# Allegro board SDHCalFEB.brd (continued)
## Routing (per net, layer and track width the routed paths; a pad name or vN(x,y) marks a point on that pad's centre or on a via; arc(x,y) is an arc through that point) (continued)
; U752.2 v2(92.5,137.97) ; 51.32,331.34 v2(51.93,331.34) ; U423.2 v2(98.88,214.92) ; R2319.1 v2(44.48,41.68) ; U662.1 v2(124.35,170.43) ; U53.2 v2(284.61,267.15) ; C164.2 v2(236.16,284.81) ; U387.2 v2(240.02,194.03) ; U478.2 v2(85.54,235.03) ; U769.1 v2(35.51,104.39) ; R1996.1 v2(282.71,155.97) ; U21.2 v2(264.14,308.1) ; U285.2 v2(267,225.67) ; R1625.1 v2(204.49,259.71) ; U901.1 v1(216.31,20.68) ; U911.2 v2(168.54,82.4) ; C1410.2 v1(355.03,203.71) ; U305.2 v2(273.59,196.65) ; U361.1 v2(185.62,209.92) ; R1784.1 v1(32.79,190.26) ; R1685.1 v2(335.96,233.19) ; R2028.1 v2(273.27,139.02) ; U704.2 v2(115.49,103.09) ; U22.2 v2(319.42,317.17) ; U142.1 v2(122.85,330.61) ; U159.2 v2(165.02,304.84) ; U590.2 v2(235.53,167.45) ; R2328.1 v2(111.68,49.91) ; R1614.1 v2(161.74,259.93) ; U301.1 v2(255.4,205.89) ; U348.2 v2(245.58,235.03) ; U197.2 v2(84.94,333.97) ; C592.1 v2(142.35,237.05) ; U36.2 v2(266.7,288.06) ; R1743.1 v2(98.89,233.68) ; U951.2 v2(97.94,45.51) ; R2307.1 v1(54.03,17.02) ; C431.2 v2(302.98,198.46) ; U707.2 v2(137.4,97.94) ; R1434.1 v2(143,333.71) ; U237.1 v1(25.32,278.05) ; U250.2 v2(48.83,257.94) ; R1940.1 v2(310.74,168.43) ; U282.1 v2(322.47,237.08) ; U418.2 v2(162.65,228.9) ; R2042.1 v2(175.96,130.68) ; U44.2 v2(270.16,278.1) ; R2200.1 v2(134.48,82.7) ; U621.1 v2(185.7,129.84) ; U532.2 v2(281.57,170.46) ; U46.2 v2(275.24,268.07) ; U596.1 v2(204.36,178.92) ; U793.1 v2(270.36,91.31) ; R1355.1 v1(194.5,343.48) ; R1714.1 v2(53.71,243.48) ; U288.1 v2(328.27,220.76) ; U803.2 v2(325.54,74.96) ; U453.1 v2(149.83,194.08) ; U268.2 v2(304.04,251.34) ; U965.1 v1(124.94,20.36) ; U859.1 v2(185.85,94.03) ; U649.2 v2(227.48,112.86) ; R904.1 v2(167.34,119.1) ; R2237.1 v2(182.71,84.5) ; C246.1 v2(149.9,278.63) ; U123.2 v2(227.36,257.86) ; R1512.1 v2(93.74,281.94) ; U529.1 v2(291.36,170.48) ; U497.1 v1(26.97,194.79) ; U63.1 v2(311.33,274.02) ; U708.2 v2(147.38,97.94) ; U10.2 v2(290.01,339.12) ; U342.1 v2(186.86,246.53) ; U479.2 v2(94.74,232.07) ; U129.1 v2(227.61,271.55) ; U666.2 v2(116.8,156.41) ; U670.1 v2(106.85,157.94) ; U600.1 v2(200.32,156.46) ; U464.1 v2(51.35,250.47) ; R1991.1 v2(79.92,139.78) ; R1818.1 v2(238.99,198.4) ; R1701.1 v2(240.67,243.49) ; R2346.1 v1(274.04,22.23) ; R1963.1 v2(139.91,162.72) ; 184.36,269.62 v2(184.97,269.62) ; U67.1 v2(244.93,335.28) ; U647.2 v2(240.02,114.02) ; R1477.1 v2(328.45,303.71) ; R2135.1 v2(331.69,99.91) ; R2231.1 v2(78.95,70.72) ; U677.2 v2(170.84,152.47) ; C679.1 v2(62.34,237.07) ; U847.1 v2(244.91,95.29) ; R2215.1 v2(134.48,92.71) ; R1539.1 v2(112.49,294.97) ; U139.1 v2(132.86,330.53) ; R2121.1 v2(130.73,108.44) ; U691.1 v2(97.97,126.79) ; R2048.1 v2(332.88,128.6) ; R1939.1 v2(78.44,173.71) ; U930.2 v2(104.03,77.9) ; U811.2 v2(257.2,64.23) ; U74.2 v2(211.55,330.58) ; U779.2 v2(67.46,112.84) ; R2228.1 v2(199.91,92.71) ; U831.2 v2(277.86,37.11) ; U377.2 v2(192.9,178.84) ; U820.2 v2(273.79,51.8) ; R2342.1 v1(294.18,17.25) ; U554.1 v2(257.96,129.94) ; U206.2 v2(43.07,337.03) ; R1736.1 v1(24.16,243.83) ; U533.1 v2(270.36,171.32) ; R1928.1 v2(190.42,162.2) ; C1412.2 v1(355.13,194.97) ; R2087.1 v2(81.68,99.91) ; U80.2 v2(199,316.57) ; U62.2 v2(318.74,273.26) ; U737.2 v2(81.17,157.02) ; R1690.1 v2(319.26,234.51) ; U452.1 v2(161.33,194.06) ; U138.2 v2(144.07,331.33) ; U136.1 v2(156.11,330.03) ; U416.1 v2(116.97,219.79) ; U614.2 v2(250.34,143.07) ; U1046.3 v1(215.65,354.88) ; R2523.1 v1(380.85,97.15) ; U157.1 v2(175.39,304.9) ; U185.2 v2(123.9,261.56) ; U862.1 v2(186.81,86.46) ; R2230.1 v2(89.77,74.49) ; U426.2 v2(105.69,208.73) ; C1024.1 v2(59.73,118.61) ; R1984.1 v2(317.08,151.41) ; R2089.1 v2(177.3,115.35) ; C1464.2 v1(368.85,104.72) ; U74.1 v2(212.85,330.58) ; R1560.1 v2(94.05,262.2) ; R2243.1 v1(23.63,72.17) ; U382.2 v2(218.88,177.9) ; R2007.1 v1(21.14,161.76) ; U399.2 v2(130.06,250.47) ; U240.2 v2(36.78,279.16) ; R2060.1 v2(273.47,129.34) ; U285.1 v2(267,226.97) ; U613.2 v2(243.37,149.2) ; U749.1 v1(26.12,131.9) ; C1440.2 v1(129.74,342.15) ; U638.1 v2(203.05,105.51) ; U349.1 v2(254.81,230.79) ; R2348.1 v1(113.33,20.98) ; U322.2 v2(317.12,190.39) ; R2531.1 v1(387.83,283.9) ; R2317.1 v1(193.57,28.22) ; U565.2 v2(269.45,116.16) ; R1705.1 v2(220.73,255.97) ; U60.2 v2(328.86,257.88) ; R2046.1 v2(161.18,129.9) ; U253.1 v2(67.57,257.89) ; R1592.1 v2(281.45,267.73) ; C1287.1 v2(146.09,38.62) ; R1962.1 v2(219.92,162.72) ; R1969.1 v2(204.49,162.71) ; U791.2 v2(283.07,98.91) ; U400.1 v2(131.31,258.98) ; R2088.1 v2(257.24,116.36) ; U559.2 v2(325.9,133.43) ; U938.2 v2(168.17,63.64) ; U778.2 v2(69.15,113.06) ; U698.1 v2(168.88,124.57) ; U84.1 v2(191.82,316.47) ; C76.2 v2(317.28,284.81) ; U113.1 v2(246.94,284.67) ; U979.1 v2(84,90.02) ; U145.1 v2(120.21,316.53) ; U568.2 v2(328.93,124.37) ; U813.1 v2(259.41,56.86) ; R1461.1 v2(257.43,317.93) ; U976.1 v2(89.83,82.37) ; R2049.1 v2(246.75,129.33) ; R1751.1 v2(162.94,217.69) ; 317.75,75.84 v2(319.14,74.46) ; 317.75,75.84 v2(319.01,75.84) ; U83.1 v2(181.1,315.68) ; U575.2 v2(288.89,97.92) ; C1206.2 v2(221.35,77.05) ; U737.1 v2(83.69,157.02) ; U679.2 v2(169.62,142.33) ; R2001.1 v2(193.85,150.68) ; U141.1 v2(124.38,339.04) ; U555.1 v2(264.87,132.25) ; U631.1 v2(193.3,107.19) ; C328.1 v2(59.74,278.6) ; C68.1 v2(300.75,278.63) ; TP123.1 v2(40.46,159.34) ; TP123.1 v2(42.24,159.34) ; TP123.1 v2(41.35,158.45) ; TP123.1 v2(41.35,160.23) ; R2283.1 v1(47.09,17.02) ; C593.1 v2(151.81,198.59) ; U95.1 v2(184.58,304.14) ; U460.1 v2(75.54,244.94) ; U771.2 v2(48.88,107.95) ; U787.2 v2(305.49,87.41) ; C74.1 v2(310.66,278.63) ; U92.2 v2(256.85,304.88) ; R2079.1 v2(38.41,110.72) ; U202.1 v2(62.83,330.58) ; R2260.1 v2(282.73,75.97) ; U986.2 v2(43.07,98.91) ; R1475.1 v2(113.84,310.67) ; U10.1 v2(291.31,339.12) ; U525.1 v2(315.52,164.9) ; U651.1 v2(169.84,162.36) ; R405.1 v2(327.85,198.73) ; U436.2 v2(114.01,188.14) ; U463.1 v2(64.03,249.99) ; U914.2 v2(164.03,91.32) ; R1584.1 v2(304.01,273.68) ; U216.2 v1(27.03,321.96) ; U967.1 v1(141.26,14.3) ; U168.1 v2(167.23,294.8) ; R2187.1 v2(193.68,95.98) ; U190.1 v2(166.96,258.83) ; U1027.2 v1(37.4,26.7) ; U553.1 v2(257.94,136.82) ; U804.1 v2(334.77,69.3) ; U832.2 v1(281.44,26.95) ; C856.1 v2(225.16,118.61) ; U29.2 v2(334.04,301.33) ; R653.2 v2(91.46,249.53) ; R2261.1 v2(203.48,75.13) ; U698.2 v2(168.88,125.87) ; v1(243.33,344) R1348.1 v1(242.52,343.24) ; R1776.1 v2(86.93,200.71) ; U235.1 v1(27.79,279.76) ; U516.1 v2(86.39,190.42) ; U292.2 v2(255.42,220.05) ; R1649.1 v2(319.93,249.18) ; U784.1 v2(324.03,90.02) ; U119.2 v2(197.89,264.08) ; R1826.1 v2(177.93,195.33) ; R1533.1 v2(272.73,294.6) ; U54.1 v2(273.86,262.86) ; U765.1 v2(36.42,120.39) ; U207.2 v2(43.07,327.08) ; R2181.1 v2(310.72,95.98) ; U73.2 v2(223.98,331.32) ; C1123.2 v2(298.48,75.83) ; U382.1 v2(217.58,177.9) ; U213.2 v2(37.13,321.52) ; R1926.1 v2(284.48,162.71) ; U222.2 v2(98.02,313.02) ; U999.2 v2(95.96,71.33) ; U372.2 v2(247.62,203.9) ; U609.2 v2(249.9,144.93) ; U835.2 v1(285.19,20.05) ; U537.2 v2(265.52,166.47) ; U701.1 v2(104.39,110.39) ; R1617.1 v2(219.68,258.43) ; U543.1 v2(326.84,155.02) ; U542.1 v2(323.28,157.02) ; R1674.1 v2(149.92,242.68) ; R1986.1 v2(157.18,151.41) ; U724.2 v2(51.55,170.41) ; U561.1 v2(257.94,126.82) ; U294.1 v2(255.14,211.6) ; R1408.1 v2(182.22,334.04) ; U591.2 v2(222.48,173.06) ; R2320.1 v1(272.8,32.84) ; R1626.1 v2(130.91,260.66) ; R1927.1 v2(270.43,162.2) ; U643.2 v2(227.37,97.94) ; U429.2 v2(169.3,205.16) ; 324.65,147.96 v2(324.65,148.92) ; U149.1 v2(111.78,316.51) ; C1298.2 v2(138.74,38.6) ; R1585.1 v2(218.43,274.51) ; C1032.2 v2(61.33,157.06) ; R2223.1 v2(294.48,82.72) ; U824.1 v2(265.51,44.37) ; U926.2 v2(116.77,76.4) ; U359.2 v2(177.88,210.33) ; C1435.2 v1(92.53,350.74) ; R2362.1 v2(259.92,42.72) ; U618.1 v2(177.93,136.8) ; R1825.1 v2(283.74,200.96) ; U93.2 v2(247.42,306.15) ; R1676.1 v2(219.92,242.7) ; U625.1 v2(194.26,131.92) ; U794.2 v2(262.47,93.07) ; R2078.1 v2(165.95,120.7) ; U437.1 v2(170.31,205.99) ; C424.2 v2(313.85,200.67) ; U864.1 v2(191.84,76.43) ; U582.2 v2(320.03,114.02) ; U284.2 v2(338,230.34) ; U648.2 v2(230.01,114.02) ; U61.2 v2(326.33,269.08) ; U163.2 v2(97.89,295.82) ; U793.2 v2(270.36,90.01) ; R1717.1 v2(168.94,233.63) ; C854.1 v2(231.82,118.5) ; U611.1 v2(196.78,139.73) ; R2165.1 v2(99.93,102.7) ; R2204.1 v2(179.92,91.7) ; R1719.1 v2(158.94,230.74) ; U404.2 v2(104,253.09) ; U815.1 v2(265.51,54.37) ; U396.2 v2(154.05,251.32) ; U321.1 v2(326.34,190.37) ; U781.2 v2(328.54,82.37) ; U234.1 v2(88.84,298.12) ; U389.2 v2(227.53,192.85) ; U392.1 v2(165.86,254.81) ; C683.1 v2(70.88,198.62) ; U451.1 v2(166.4,190.42) ; R2212.1 v2(204.49,82.7) ; U255.1 v2(83.9,262.86) ; C83.2 v2(304.06,278.62) ; U856.1 v2(204.36,98.91) ; U240.1 v2(36.78,277.86) ; U343.1 v2(182,235.33) ; R2109.1 v2(163.71,113.02) ; v2(303.99,331.31) U8.2 v2(303.03,331.92) ; 158.27,235.86 v2(159.24,235.86) ; 158.27,235.86 v2(159.35,236.94) ; C336.2 v2(73.53,280.63) ; R1861.1 v2(200.71,187.45) ; R2564.2 v1(341.84,334.98) ; U860.1 v2(200.35,76.45) ; R1728.1 v2(81.96,219.19) ; U681.1 v2(96.9,145.56) ; U171.1 v2(98.93,286.43) ; 237.72,314.76 v2(238.61,313.87) ; R1621.1 v2(211.68,259.9) ; R1935.1 v2(94.49,172.69) ; U926.1 v2(115.48,76.4) ; U96.2 v2(177.42,302.97) ; U328.2 v2(246.51,246.85) ; U568.1 v2(328.93,123.07) ; R1769.1 v2(258.43,223.73) ; U50.1 v2(277.36,281) ; U555.2 v2(263.91,131.56) ; 50.02,331.34 v2(49.41,331.34) ; R1478.1 v2(256.69,303.94) ; R1949.1 v2(271.4,173.71) ; R1582.1 v2(234.48,271.7) ; U461.1 v2(74.07,250.02) ; U702.2 v2(105.51,103.09) ; R1320.1 v2(87.69,38.18) ; R2239.1 v1(23.68,69.52) ; R2360.1 v2(111.68,39.9) ; R1994.1 v2(97.34,161.66) ; R2323.1 v2(273.56,49.66) ; U459.2 v2(72.47,253.07) ; U452.2 v2(160.03,194.06) ; C776.2 v2(298.76,118.58) ; R2180.1 v2(80.73,95.98) ; R2347.1 v1(193.32,21.67) ; U14.2 v2(264.56,334.17) ; U368.2 v2(187.5,194.37) ; R1412.1 v2(224.49,322.66) ; U802.2 v2(320.46,77.01) ; U409.1 v2(111.8,236.52) ; U319.1 v2(316.95,178.87) ; U333.1 v2(224.03,250.02) ; R1679.1 v2(213.73,243.48) ; R1456.1 v2(32.89,326.64) ; R1817.1 v2(268.27,197.94) ; U42.2 v2(259.25,280.26) ; C1374.1 v2(66.08,38.57) ; U398.1 v2(144.04,250.02) ; U934.1 v2(175.95,70.03) ; U1010.2 v1(29.83,48.21) ; 141.37,156.34 v2(141.37,157.04) ; U134.1 v2(165.99,330.03) ; R154.2 v2(251.76,329.29) ; R1700.1 v2(314.49,242.67) ; U233.2 v2(86.51,296.84) ; U275.1 v2(280.26,236.5) ; U577.2 v2(297.39,97.92) ; U720.2 v2(75.49,167.42) ; U248.1 v2(43.06,265.4) ; U576.1 v2(287.59,107.9) ; U757.2 v1(25.53,114.62) ; C1285.1 v2(139.72,38.6) ; U1043.1 v1(216.75,344.07) ; U315.1 v2(283.87,182.87) ; U170.1 v2(113.41,292.04) ; R1747.1 v2(174.72,221.46) ; U414.2 v2(174.8,232.07) ; 159.41,315.95 v2(160.12,316.66) ; 159.41,315.95 v2(160.43,315.95) ; U865.1 v2(186.84,77.95) ; U12.1 v2(282.85,330.61) ; U572.1 v2(271.58,98.88) ; U809.1 v2(336.45,57.59) ; U98.1 v2(177.85,296.9) ; U375.1 v2(196.37,200.4) ; R2236.1 v2(261.2,82.99) ; R2191.1 v2(160.74,95.98) ; U282.2 v2(319.95,237.08) ; R2128.1 v2(188.2,111.46) ; U153.1 v2(168.02,310.67) ; U569.2 v2(321.75,117.93) ; R2155.1 v2(283.02,100.73) ; R1589.1 v2(212.19,268.92) ; R1415.1 v2(284.48,322.71) ; R2119.1 v2(290.72,108.42) ; U436.1 v2(113.32,187.17) ; R1964.1 v2(43.73,163.5) ; U861.1 v2(195.49,76.4) ; U367.2 v2(177.39,198.67) ; C1382.2 v2(75.8,44.78) ; U857.2 v2(201.56,90.42) ; U464.2 v2(50.05,250.47) ; U877.2 v2(178.69,58.33) ; R2520.1 v1(376.58,97.15) ; U807.1 v2(328.8,65.46) ; U1025.1 v2(36.4,40.43) ; U1026.1 v2(39.31,36.8) ; U970.2 v2(142.18,33.15) ; R2047.1 v1(32.43,110.65) ; U244.2 v2(80.02,277.88) ; U977.2 v2(85.88,93.38) ; R2195.1 v2(95.44,80.72) ; U623.1 v2(247.01,137.42) ; R571.1 v2(168.33,198.86) ; U210.2 v2(38.57,317.53) ; R821.1 v2(247.53,118.29) ; C1385.2 v2(58.72,38.59) ; C423.2 v2(316.89,232.36) ; U38.1 v2(327.28,294.87) ; U363.1 v2(240.33,214.37) ; U258.2 v2(68.52,273.99) ; R2069.1 v2(178.42,133.66) ; U153.2 v2(168.99,311.36) ; U388.2 v2(228.54,194.06) ; R2071.1 v2(58.42,114.51) ; U1035.2 v1(61.66,33.12) ; U146.1 v2(115.5,316.31) ; U659.1 v2(131.36,170.46) ; R903.2 v2(172.1,169.24) ; U1030.2 v1(45.11,19.8) ; R2202.1 v2(150.7,95.95) ; U497.2 v1(26.01,194.1) ; U916.1 v2(154,90.02) ; R1542.1 v2(255.21,281.99) ; R1943.1 v2(70.74,168.4) ; U385.1 v2(247.58,177.9) ; R1499.1 v2(115.66,304.69) ; U846.2 v2(248.53,82.37) ; U1032.1 v1(62.26,14.35) ; U277.1 v2(266.85,246.53) ; R1948.1 v2(39.93,172.69) ; U689.1 v2(167.68,136.65) ; R1600.1 v2(258.4,273.69) ; U426.1 v2(105.69,210.03) ; R1511.1 v2(97.65,301.45) ; U589.2 v2(244.02,171.33) ; U103.1 v2(243.59,299.82) ; U437.2 v2(170.31,204.69) ; U408.1 v2(102.17,235.33) ; U410.2 v2(105.55,238) ; U182.2 v2(112.89,258.88) ; U665.1 v2(120.34,156.46) ; C857.1 v2(230.83,118.5) ; R1520.1 v2(76.88,278.39) ; R2031.1 v1(23.36,133.92) ; U820.1 v2(273.79,53.1) ; U268.1 v2(304.04,250.04) ; U598.2 v2(190.37,170.04) ; U897.1 v1(196.96,25.86) ; U393.2 v2(166.5,246.82) ; U52.2 v2(272.9,258.85) ; R1890.1 v2(131.72,179.91) ; R2256.1 v2(257.81,81.55) ; U753.2 v2(83.96,139.5) ; U41.1 v2(256.81,286.41) ; R2330.1 v2(259.84,52.2) ; R2287.1 v1(33.53,27.84) ; U744.2 v2(87.93,142.56) ; C692.2 v2(68.89,198.62) ; R1889.1 v2(211.71,179.91) ; U799.1 v2(271.82,76.45) ; U615.1 v2(184.71,144.11) ; U868.2 v2(245.56,74.96) ; R2188.1 v2(175.45,80.72) ; U223.1 v2(82.85,307.62) ; U671.2 v2(104.35,147.12) ; R1713.1 v2(99.91,251.69) ; U522.1 v2(324.89,175.3) ; U89.2 v2(247.9,310.64) ; U62.1 v2(320.04,273.26) ; U327.1 v2(244.86,255.31) ; U158.2 v2(158.12,304.18) ; U467.1 v2(42.87,250.44) ; U570.1 v2(276.43,120.39) ; U684.2 v2(97.94,128.56) ; U880.1 v2(185.52,54.37) ; C75.2 v2(318.18,310.51) ; R2293.1 v2(195.38,59.36) ; U279.2 v2(270.45,236.52) ; U352.2 v2(253.26,234.28) ; U511.2 v2(48.86,187.91) ; R1622.1 v2(141.73,259.93) ; R1655.1 v2(230.74,255.97) ; U1002.2 v2(91.03,67.4) ; R1451.1 v2(110.41,322.2) ; R2044.1 v2(322.7,129.9) ; C1471.2 v1(376.63,293.23) ; U81.1 v2(195.53,316.37) ; R1583.1 v2(164.48,271.67) ; R2030.1 v2(113.31,139.28) ; C1437.2 v1(103.66,352.34) ; R1491.1 v2(176.02,316.56) ; R1735.1 v2(122.69,235.98) ; U17.2 v2(265.58,326.52) ; R1524.1 v1(32.28,272.7) ; U267.2 v2(305.56,247.46) ; R1466.1 v2(202.67,316.03) ; R2521.1 v1(378,97.15) ; U514.1 v2(76.97,178.89) ; U335.1 v2(209.82,258.95) ; C953.2 v2(148.78,118.55) ; U413.1 v2(166.85,235.05) ; C1125.2 v2(303.03,38.6) ; U85.2 v2(185.64,318.05) ; U49.1 v2(321.26,277.87) ; C1114.1 v2(302.37,77.03) ; R2192.1 v2(54.5,92.73) ; R2321.1 v1(192.84,32.77) ; U658.1 v2(144.02,170.03) ; U263.1 v2(326.54,245.55) ; C333.1 v2(69.82,278.52) ; R1597.1 v2(188.15,271.48) ; U108.1 v2(179.37,275.34) ; U812.2 v2(258.7,58.33) ; R1566.1 v2(189.93,279.23) ; R738.1 v2(327.77,118.8) ; R1654.1 v2(303.01,253.69) ; C344.2 v2(68.83,278.54) ; U610.1 v2(188.21,146.12) ; R1696.1 v2(271.41,253.7) ; U288.2 v2(328.27,222.06) ; U72.1 v2(225.58,324.94) ; U336.2 v2(202.45,258.01) ; R1806.1 v2(178.44,213.69) ; R1724.1 v2(89.67,221.44) ; R820.2 v2(251.2,169.21) ; C677.1 v2(60.75,198.62) ; U231.1 v1(16.56,280.94) ; U1027.1 v1(36.71,25.73) ; C329.1 v2(60.73,278.6) ; U665.2 v2(119.04,156.46) ; U479.1 v2(94.74,230.77) ; U346.1 v2(181.46,227.23) ; U763.1 v2(88.93,123.07) ; U53.1 v2(283.31,267.15) ; R1534.1 v2(193.09,294.58) ; U459.1 v2(72.47,254.37) ; R2245.1 v2(238.95,70.72) ; R1336.2 v1(388.06,105.03) ; U231.2 v1(16.56,279.64) ; R2266.1 v2(115.42,70.66) ; U746.1 v1(27.22,143.08) ; C944.1 v2(150.74,118.55) ; U902.2 v1(224.95,14.68) ; U644.1 v2(237.57,97.92) ; R1459.1 v2(157.3,311.4) ; R1567.1 v2(125.95,279.7) ; U626.1 v2(177.93,126.82) ; U467.2 v2(41.57,250.44) ; U482.1 v2(92.23,235.25) ; R2082.1 v2(158.34,118.42) ; U287.2 v2(320.97,230.53) ; U1046.1 v1(213.75,354.88) ; C429.2 v2(298.48,235.9) ; R2016.1 v2(327.99,146.17) ; U830.2 v2(276.4,39.13) ; U601.2 v2(196.78,156.41) ; R1486.1 v2(256.18,317.07) ; U1006.2 v2(28.56,59.33) ; U998.2 v2(85.54,74.96) ; U281.2 v2(262.85,227.1) ; R2300.1 v2(259.16,61.47) ; R2224.1 v2(284.5,82.72) ; C676.1 v2(59.73,198.62) ; U476.2 v1(26.09,239.13) ; U257.2 v2(80.02,274.07) ; R1990.1 v2(98.78,149.11) ; U821.2 v2(257.94,45.51) ; U383.2 v2(228.86,177.9) ; R2226.1 v2(220.73,95.98) ; U562.2 v2(257.18,118.73) ; R1794.1 v2(184.18,210.24) ; R2064.1 v2(273.08,134.53) ; C1417.2 v1(355.33,130.76) ; U654.2 v2(164.06,171.33) ; U397.1 v2(145.54,244.91) ; R1805.1 v2(334.49,202.69) ; C1286.1 v2(140.73,38.6) ; R2318.1 v1(113.51,27.38) ; U384.2 v2(238.87,177.9) ; R1695.1 v2(214.49,252.7) ; U577.1 v2(296.09,97.92) ; R1468.1 v2(85.93,300.74) ; v1(360.86,170.56) C1441.2 v1(361.65,169.74) ; R1446.1 v2(293.7,327) ; C1431.2 v1(354.32,238) ; R2248.1 v2(317.08,71.4) ; R1740.1 v1(20,218.8) ; C1296.2 v2(153.12,40.6) ; U915.2 v2(155.5,87.39) ; U101.1 v2(185.62,288.88) ; U326.2 v2(248.53,242.44) ; R1829.1 v2(268.25,199.92) ; R1981.1 v2(238.95,150.73) ; U813.2 v2(259.41,55.56) ; U869.1 v2(255.96,70.03) ; U969.1 v1(144.02,22.99) ; U308.1 v2(329.01,203.08) ; U672.2 v2(160.87,157.02) ; R2015.1 v2(80.43,132.19) ; R1577.1 v2(324.5,271.73) ; U807.2 v2(328.8,66.76) ; R2265.1 v2(193.85,70.66) ; R1929.1 v2(77.5,151.41) ; U150.2 v2(104.13,318.01) ; R1495.1 v2(97.77,307.65) ; U630.1 v2(189.81,117.04) ; R1731.1 v2(97.84,241.93) ; R1407.1 v2(119.91,332.69) ; U312.1 v2(273.5,188.09) ; C602.2 v2(138.74,198.62) ; C1436.2 v1(92.23,343.5) ; U898.1 v1(201.87,27.74) ; U353.1 v2(246.45,228.47) ; U4.1 v2(324.06,330.02) ; U357.1 v2(178.61,219.6) ; U255.2 v2(83.9,261.56) ; U149.2 v2(110.48,316.51) ; 329.82,141.34 v2(329.82,141.95) ; U136.2 v2(156.11,331.33) ; R1726.1 v2(178.63,229.24) ; U47.2 v2(331.32,280.31) ; R1494.1 v2(196.41,303.55) ; U283.1 v2(329.36,230.08) ; U965.2 v1(124.94,19.06) ; C1373.1 v2(60.7,38.6) ; U784.2 v2(324.03,91.32) ; C79.2 v2(308.71,278.62) ; U216.1 v1(26.06,322.65) ; U939.2 v2(176.68,63.64) ; R1932.1 v2(29.84,163.42) ; R1869.1 v2(177.44,192.2) ; U23.2 v2(329.11,311.36) ; R1564.1 v2(81.76,259.93) ; C779.2 v2(308.95,118.61) ; U901.2 v1(216.31,21.98) ; U905.1 v2(223.79,33.93) ; U982.2 v2(65.48,87.39) ; v1(384.3,293.03) C1474.1 v1(385.51,291.96) ; U662.2 v2(123.05,170.43) ; U331.2 v2(234.06,251.32) ; C770.1 v2(310.94,118.61) ; U548.2 v2(327.96,141.95) ; U84.2 v2(190.52,316.47) ; C862.2 v2(218.47,155.84) ; R1792.1 v2(44.49,201.7) ; R2084.1 v2(269.99,114.33) ; R1998.1 v2(122.69,155.97) ; C342.2 v2(63.91,278.55) ; U63.2 v2(310.03,274.02) ; C1124.2 v2(298.76,38.6) ; U788.2 v2(304.01,91.3) ; R1822.1 v2(190.47,193.75) ; R1828.1 v2(71.7,179.91) ; U612.2 v2(250.49,152.92) ; U273.2 v2(270.38,250.03) ; U131.2 v2(169.1,321.59) ; R1856.1 v2(280.7,187.43) ; C1209.2 v2(233.36,40.6) ; C1438.2 v1(129.64,356.55) ; U937.2 v2(171.5,67.45) ; R2027.1 v1(21.84,111.08) ; U175.2 v2(110.06,274.69) ; U207.1 v2(44.37,327.08) ; R570.2 v2(170.96,249.4) ; C1031.1 v2(70.83,118.58) ; R1390.1 v2(254.48,321.69) ; U619.2 v2(178.05,130.14) ; U695.2 v2(110.01,115.89) ; U755.2 v1(27.79,119.54) ; C338.2 v2(61.32,317.13) ; R1777.1 v2(319.92,212.68) ; U675.1 v2(108.31,146.02) ; R1403.1 v2(233.02,333.71) ; v1(91.97,358.29) C1434.2 v1(92.76,357.47) ; U25.2 v2(268.58,304.9) ; R2062.1 v2(113.04,129.37) ; U55.2 v2(288.88,257.88) ; 180.21,280.6 v2(179.25,280.6) ; U450.1 v2(166.96,178.87) ; R2284.1 v2(257.66,67.36) ; U430.1 v2(114.48,212.41) ; U808.1 v2(328.93,60.05) ; U184.2 v2(119.04,269.52) ; U690.1 v2(114.25,132.23) ; U330.1 v2(235.56,244.94) ; U773.1 v2(67.57,97.94) ; U663.1 v2(110.36,171.34) ; R2112.1 v2(233.71,113.02) ; U923.2 v2(110.39,90.03) ; U709.2 v2(158.89,97.94) ; R403.2 v2(76.97,270.03) ; R2002.1 v2(113.86,150.68) ; R1741.1 v2(329.95,225.21) ; R1985.1 v2(237.17,151.41) ; C1121.2 v2(317.1,44.78) ; C1388.2 v2(68.68,38.56) ; U416.2 v2(118.27,219.79) ; U652.1 v2(164.9,175.3) ; U179.2 v2(162.24,277.9) ; U687.1 v2(170.38,134.36) ; R1737.1 v2(258.91,233.68) ; R2085.1 v2(190.31,113.92) ; U386.1 v2(246.35,190.39) ; U131.1 v2(169.79,322.55) ; U486.2 v1(25.06,223.09) ; U744.1 v2(87.93,143.86) ; U897.2 v1(197.65,26.82) ; C1027.1 v2(62.31,157.06) ; U733.2 v2(36.88,157.21) ; U181.1 v2(104.39,270.42) ; R1521.1 v2(273.8,286.81) ; U261.1 v2(328.48,234.14) ; C502.1 v2(219.77,198.6) ; C1378.1 v2(71.67,38.57) ; U445.1 v2(127.54,177.9) ; U492.1 v2(97.84,215.2) ; U249.2 v2(39.03,268.05) ; C425.2 v2(318.52,203.87) ; U179.1 v2(160.94,277.9) ; v1(363.04,86.46) 364.03,87.45 D7.2 ; U718.1 v2(85.5,166.1) ; U372.1 v2(247.62,205.2) ; 130.05,266.32 v2(130.05,265.35) ; U604.2 v2(190.51,156.46) ; R1548.1 v2(58.44,274.5) ; R2359.1 v2(190.73,38.4) ; U565.1 v2(269.45,117.46) ; C1413.2 v2(355.16,188.85) ; R1771.1 v2(112.52,220.68) ; C1039.2 v2(63.89,118.58) ; U359.1 v2(177.88,211.63) ; R2153.1 v2(131.69,99.91) ; U717.2 v2(84.94,173.98) ; U193.2 v2(148.53,273.99) ; U441.1 v2(104.39,190.5) ; U1031.1 v1(55.98,19.79) ; U125.1 v2(247.55,257.86) ; U636.1 v2(184.37,110.41) ; U935.2 v2(108.28,64.78) ; 145.1,199.26 v2(145.1,198.56) ; U97.1 v2(178.61,299.72) ; U327.2 v2(244.86,254.01) ; U313.1 v2(283.06,185.39) ; U603.2 v2(183.35,155.3) ; U24.1 v2(338.03,309.02) ; U160.2 v2(104.6,302.93) ; U64.1 v2(307.6,271.53) ; U526.2 v2(302.49,173.09) ; C418.1 v2(302.37,236.94) ; U321.2 v2(326.34,189.07) ; U736.2 v1(26.54,157.67) ; U916.2 v2(154,91.32) ; U606.2 v2(183.53,148.11) ; U803.1 v2(326.84,74.96) ; U675.2 v2(108.31,144.72) ; R1807.1 v2(98.4,213.69) ; R1550.1 v2(242.21,277.03) ; R2083.1 v2(91.69,99.91) ; U463.2 v2(64.03,251.29) ; v1(239.12,343.2) R1345.1 v1(238.36,343.99) ; U642.1 v2(216.06,97.94) ; R1664.1 v2(191.37,253.67) ; U529.2 v2(290.06,170.48) ; R1930.1 v2(180.42,162.2) ; U811.1 v2(257.2,65.53) ; R2288.1 v2(276.48,63.93) ; R2302.1 v2(98.86,61.44) ; U161.2 v2(95.71,304.03) ; U521.1 v2(329.84,162.51) ; U564.1 v2(265.43,121.35) ; R2005.1 v2(178.93,153.67) ; U345.1 v2(186.84,237.97) ; R2178.1 v2(174.49,92.71) ; U858.1 v2(190.37,91.31) ; U349.2 v2(254.81,232.09) ; U705.1 v2(127.59,97.94) ; U244.1 v2(78.72,277.88) ; U117.1 v2(192.91,259.61) ; U810.2 v2(265.68,63.39) ; R1393.1 v2(314.48,322.66) ; U579.2 v2(318.88,97.94) ; U422.2 v2(98.65,218.33) ; U128.2 v2(228.62,274.02) ; U796.2 v2(276.77,76.4) ; R1651.1 v2(174.49,252.78) ; U172.1 v2(95.86,279.17) ; C687.2 v2(73.01,200.62) ; U936.1 v2(116.21,59.74) ; R1386.1 v2(220.73,335.99) ; U146.2 v2(116.8,316.31) ; U324.1 v2(307.47,191.55) ; R1581.1 v2(315.99,269.69) ; U668.1 v2(101.63,155.12) ; R1579.1 v2(175.91,270.73) ; U700.2 v2(116.41,119.09) ; U681.2 v2(96.9,144.26) ; R1435.1 v2(199.92,332.61) ; U657.1 v2(145.49,164.9) ; R1831.1 v2(124.49,201.75) ; U213.1 v2(37.13,320.22) ; U316.1 v2(288.55,188.87) ; R1925.1 v2(63.02,173.71) ; U633.1 v2(248.89,124.57) ; R1565.1 v2(271.45,277.71) ; R1703.1 v2(89.16,234.45) ; C168.2 v2(223.08,278.52) ; U582.1 v2(321.33,114.02) ; U515.1 v2(87.56,177.93) ; U119.1 v2(197.89,265.38) ; U328.1 v2(245.54,246.16) ; C509.1 v2(230.92,198.6) ; U354.1 v2(254.81,225.1) ; R1517.1 v2(328.68,293.92) ; R1775.1 v2(99.17,221.44) ; U706.1 v2(127.59,107.95) ; R1505.1 v2(259.14,301.2) ; R1509.1 v2(336.95,292.2) ; U43.2 v2(257.96,275.38) ; U355.1 v2(184.71,224.07) ; U168.2 v2(167.23,296.1) ; U305.1 v2(272.29,196.65) ; U636.2 v2(183.07,110.41) ; R2568.2 v1(352.77,237.24) ; R2225.1 v2(320.73,95.98) ; U688.1 v2(166.98,137.24) ; R2334.1 v1(310.24,18.34) ; U109.2 v2(186.33,279.47) ; R2041.1 v2(255.95,130.68) ; C332.1 v2(71.81,278.52) ; R1898.1 v2(106.88,182.19) ; R2306.1 v1(149.02,21.16) ; U792.2 v2(283.05,90.42) ; U44.1 v2(268.25,277.13) ; U453.2 v2(148.53,194.08) ; R1609.1 v2(244.03,262.2) ; U354.2 v2(254.81,226.4) ; U18.1 v2(260.28,315.9) ; U900.2 v1(205.03,20.66) ; U835.1 v1(285.19,21.35) ; U713.1 v2(149.83,114.02) ; U1033.1 v1(61.92,25.55) ; R1693.1 v2(150.73,255.97) ; U477.1 v2(83.48,237.01) ; U941.2 v2(97.23,64.12) ; U669.2 v2(110.5,156.46) ; R1429.1 v2(312.04,333.6) ; U130.81 v2(233.4,285.17) ; U48.1 v2(329.19,283.08) ; U625.2 v2(193.29,131.23) ; U760.1 v2(36.7,115.7) ; U447.2 v2(138.87,177.93) ; U456.2 v2(88.53,242.37) ; U855.1 v2(211.35,98.91) ; R1532.1 v2(44.49,281.68) ; U438.1 v2(168.96,203.08) ; U772.1 v2(57.59,97.94) ; U320.2 v2(329.5,178.87) ; R2050.1 v2(166.82,129.38) ; U98.2 v2(177.85,295.6) ; R2235.1 v2(76.49,71.4) ; U609.1 v2(248.6,144.93) ; U110.1 v2(190.88,277.42) ; U964.1 v1(118.4,16.71) ; U721.2 v2(66.08,177.95) ; U1028.2 v1(39.89,28.27) ; R2232.1 v2(270.42,82.2) ; U134.2 v2(165.99,331.33) ; R2339.1 v1(231.04,27.03) ; R2363.1 v2(179.91,42.72) ; TP33.1 v2(159.82,294.95) ; U573.1 v2(283.06,105.49) ; U931.2 v2(103.54,68.02) ; U26.2 v2(279.59,299.63) ; C1299.2 v2(142.99,38.6) ; U603.1 v2(182.05,155.3) ; U969.2 v1(145.32,22.99) ; U1064.7 v1(82.4,346.23) ; R2257.1 v2(178.08,81.55) ; U393.1 v2(165.53,246.13) ; U574.2 v2(275.51,103.09) ; U405.2 v2(119.01,236.5) ; R2304.1 v1(309.91,21.16) ; U961.2 v2(118.3,36.63) ; U578.1 v2(306.1,97.94) ; U489.2 v1(26.53,211.91) ; U224.2 v2(91.56,309.91) ; C850.1 v2(219.75,118.58) ; v1(264.86,343.48) C1395.2 v1(264.08,342.66) ; R1605.1 v2(253.97,262.2) ; U427.1 v2(175.57,207.9) ; U980.2 v2(75.49,87.39) ; U635.2 v2(196.42,119.11) ; U930.1 v2(105.33,77.9) ; U314.1 v2(275.41,184.37) ; R1884.1 v2(291.72,179.91) ; U447.1 v2(137.57,177.93) ; U79.2 v2(184.63,334.02) ; R1840.1 v2(41.71,179.91) ; R2037.1 v2(179.16,141.46) ; U875.2 v2(184.71,62.8) ; U683.1 v2(97.92,136.8) ; U271.1 v2(284.37,259) ; U714.2 v2(147.5,112.84) ; R1613.1 v2(229.71,258.45) ; R2009.1 v2(251.39,140.69) ; R1880.1 v2(300.71,178.44) ; U654.1 v2(164.06,170.03) ; U364.2 v2(249.21,206.1) ; R1772.1 v2(90.43,202.21) ; R1658.1 v2(60.71,256) ; R2351.1 v1(191.9,30.1) ; C861.2 v2(235.85,124.79) ; U703.1 v2(123.07,105.49) ; U310.1 v2(276.35,200.4) ; R1967.1 v2(133.72,163.5) ; C1214.2 v2(228.76,38.57) ; U505.1 v2(36.37,200.4) ; U398.2 v2(144.04,251.32) ; U685.2 v2(103.99,131.56) ; U91.1 v2(197.23,299.47) ; U621.2 v2(185.7,128.54) ; R2177.1 v2(254.47,92.71) ; R2350.1 v1(274.17,30.23) ; R1796.1 v2(95.99,190.73) ; U557.1 v2(330.03,130.4) ; R1529.1 v2(273.06,289.23) ; C1379.1 v2(69.69,38.57) ; C1199.1 v2(220.72,38.6) ; R1914.1 v2(298.45,173.71) ; U388.1 v2(229.84,194.06) ; U809.2 v2(336.45,58.89) ; U539.2 v2(270.55,156.46) ; U220.1 v1(17.73,320.95) ; U94.2 v2(248.69,305.64) ; U684.1 v2(97.94,129.86) ; U377.1 v2(191.6,178.84) ; U449.2 v2(159.47,178.84) ; U889.1 v2(185.52,44.37) ; U1029.2 v1(41.13,17.09) ; R1527.1 v2(113.27,286.51) ; U628.1 v2(187.45,113.06) ; R1516.1 v2(82.72,279.92) ; U317.1 v2(297.59,177.9) ; U769.2 v2(35.51,103.09) ; U904.1 v1(225.25,23.72) ; U88.1 v2(246.76,314.31) ; U830.1 v2(276.4,40.43) ; U315.2 v2(283.87,181.57) ; R1660.1 v2(54.47,252.7) ; U449.1 v2(156.95,178.84) ; U886.2 v2(177.95,45.51) ; U898.2 v1(199.96,28.7) ; R1496.1 v2(85.67,288.63) ; U950.2 v2(113.87,51.45) ; U31.1 v2(260.5,303.96) ; U374.1 v2(241.23,198.6) ; U671.1 v2(103.05,147.12) ; R1319.2 v2(91.84,89.41) ; U265.2 v2(315.54,247.48) ; C599.2 v2(141.34,237.05) ; U905.2 v2(222.49,33.93) ; R1814.1 v2(246.99,200.69) ; U483.1 v2(88.21,224.8) ; U172.2 v2(95.86,277.87) ; U629.1 v2(185.42,121.38) ; R1773.1 v2(328.22,214.49) ; R1744.1 v1(21.49,243.83) ; R1437.1 v2(193.68,335.99) ; R2186.1 v2(279.92,92.71) ; R1872.1 v2(321.74,179.93) ; U533.2 v2(270.36,170.02) ; U987.1 v2(42.84,90.42) ; U677.1 v2(170.84,153.76) ; R1515.1 v2(175.99,293.67) ; U912.1 v2(164.95,95.29) ; U94.1 v2(247.73,307.55) ; R1673.1 v2(229.9,242.68) ; U928.2 v2(102.09,75.06) ; R1858.1 v2(130.71,188.44) ; C343.2 v2(58.47,315.87) ; U162.1 v2(97.13,299.94) ; R1832.1 v2(60.73,178.44) ; C422.1 v2(310.79,198.44) ; R2090.1 v2(99.44,113.9) ; R2251.1 v2(91.46,57.67) ; U780.81 v2(73.38,125.15) ; R1966.1 v2(213.73,163.5) ; U219.1 v2(88.87,316.51) ; R1518.1 v2(242.68,291.2) ; U696.2 v2(113.98,108.18) ; U419.2 v2(174.78,226.22) ; R1598.1 v2(122.22,266.99) ; U344.1 v2(191.79,236.52) ; U111.2 v2(194.06,268.1) ; U197.1 v2(84.94,335.27) ; U680.1 v2(104.72,144.14) ; R1853.1 v2(218.43,194.5) ; U763.2 v2(88.93,124.37) ; U932.2 v2(160.03,77.01) ; D3.2 v1(348.69,30.43) ; U739.2 v2(90.01,153.49) ; U302.2 v2(261.44,200.06) ; R1364.1 v1(194.39,355.63) ; R1572.1 v2(61.72,259.93) ; R1746.1 v2(253.22,223) ; U154.1 v2(171.32,316.97) ; C507.1 v2(229.93,198.6) ; R2578.2 v1(352.07,221.53) ; U637.2 v2(192.9,98.91) ; U663.2 v2(110.36,170.04) ; U129.2 v2(227.61,272.85) ; R2281.1 v2(245.72,65.2) ; R1848.1 v2(298.35,194.51) ; R1460.1 v2(42.21,315.49) ; U854.2 v2(211.55,90.42) ; U556.1 v2(265.86,129.89) ; U217.1 v1(28.04,317.79) ; R1897.1 v2(186.94,182.19) ; U492.2 v2(97.84,216.5) ; C851.1 v2(220.74,118.58) ; U448.2 v2(148.88,177.9) ; C596.1 v2(150.82,198.59) ; U694.2 v2(105.46,120.05) ; v1(349.21,321.89) R2560.2 v1(348.45,321.11) ; U389.1 v2(227.53,191.55) ; U685.1 v2(104.95,132.25) ; U298.2 v2(320.94,219.51) ; U157.2 v2(176.69,304.9) ; U476.1 v1(26.09,240.43) ; U833.1 v1(278.89,28.85) ; R1885.1 v2(220.73,178.44) ; R1488.1 v2(94.49,292.68) ; U187.1 v2(136.1,257.89) ; R1553.1 v2(270.04,273.31) ; C1443.2 v1(361.47,286.65) ; U635.1 v2(196.42,120.41) ; U276.2 v2(276.87,236.37) ; C943.1 v2(145.15,118.61) ; 211.35,249.56 v2(211.35,250.52) ; R1424.1 v1(24.77,326.39) ; U385.2 v2(248.88,177.9) ; U254.2 v2(78.83,257.89) ; U866.1 v2(181.62,67.01) ; R1481.1 v2(319.66,302.87) ; U50.2 v2(277.36,278.48) ; U412.1 v2(163.8,237.06) ; U718.2 v2(86.46,166.79) ; U413.2 v2(165.55,235.05) ; U510.2 v2(48.86,177.93) ; R2270.1 v2(98.96,73.66) ; R2040.1 v2(335.98,133.68) ; U660.2 v2(130.01,178.92) ; U788.1 v2(304.01,90) ; U481.2 v1(17.25,237.45) ; R1440.1 v2(94.49,321.74) ; R2198.1 v2(230.67,83.49) ; C1204.1 v2(231.74,38.57) ; R1601.1 v2(181.42,271.23) ; C165.2 v2(233.11,280.63) ; U624.2 v2(246.29,136.6) ; U806.2 v2(278.27,59.69) ; U876.2 v2(177.22,64.02) ; U70.1 v2(236.52,325.57) ; U611.2 v2(198.08,139.73) ; R2289.1 v2(196.09,63.88) ; U785.1 v2(315.49,84.92) ; R1857.1 v2(210.72,188.42) ; U480.2 v1(28.4,237.25) ; C1387.2 v2(63.96,38.56) ; U296.2 v2(272.54,209.61) ; U422.1 v2(98.65,219.63) ; R1995.1 v2(98.82,157.45) ; U674.2 v2(169.84,144.88) ; 309.85,39.24 v2(309.85,38.54) ; U530.1 v2(289.83,178.94) ; U915.1 v2(155.5,84.87) ; R1462.1 v2(176.78,317.78) ; U298.1 v2(323.46,219.51) ; U347.2 v2(239.51,237.06) ; R1756.1 v2(86.79,210.32) ; U576.2 v2(288.89,107.9) ; U602.1 v2(186.81,166.47) ; R1835.1 v2(108.94,199.24) ; R2311.1 v1(33.27,21.39) ; U936.2 v2(117.51,59.74) ; U262.2 v2(331.56,260.5) ; U786.2 v2(314.05,91.32) ; C1293.2 v2(141.34,77.03) ; R2148.1 v2(221.71,99.91) ; R2120.1 v2(210.71,108.44) ; U866.2 v2(182.92,67.01) ; U144.2 v2(104.56,334.01) ; R1419.1 v2(79.91,322.66) ; C416.1 v2(300.78,198.62) ; U581.2 v2(326.39,109.11) ; R2217.1 v2(111.39,93.7) ; U9.2 v2(290.14,330.48) ; U770.2 v2(48.88,97.94) ; U457.1 v2(84.89,255.31) ; C341.2 v2(62.92,278.55) ; U362.2 v2(249.43,213.98) ; U289.2 v2(334.04,221.32) ; U252.2 v2(58.86,257.89) ; U335.2 v2(208.52,258.95) ; U513.2 v2(68.01,178.92) ; U812.1 v2(258.7,59.63) ; U742.1 v2(90.81,155.59) ; U318.1 v2(307.55,177.9) ; U942.2 v2(98.7,58.33) ; U151.1 v2(101.86,306.96) ; R1444.1 v2(304.5,322.66) ; R2065.1 v2(193.01,134.5) ; U775.2 v2(88.89,97.94) ; U1000.1 v2(32.81,68) ; R2269.1 v2(178.97,73.69) ; R1683.1 v2(110.42,242.19) ; U191.1 v2(166.4,270.38) ; U270.1 v2(291.36,258.98) ; R1547.1 v2(174.49,282.7) ; U293.1 v2(256.21,217.47) ; R2073.1 v2(256,121.69) ; U120.1 v2(203.68,262.87) ; R2127.1 v2(268.18,111.46) ; R2227.1 v2(214.49,92.71) ; U370.2 v2(189.94,195.59) ; C939.1 v2(146.14,118.61) ; R1492.1 v2(82.19,290.38) ; U21.1 v2(261.62,308.1) ; U350.2 v2(188.54,224.73) ; U632.1 v2(256.46,124.06) ; U375.2 v2(196.37,199.1) ; U858.2 v2(190.37,90.01) ; U1004.1 v2(96.67,62.34) ; R2017.1 v2(257.04,157.04) ; U932.1 v2(162.55,77.01) ; R1841.1 v2(324.49,191.72) ; U27.1 v2(322.07,309.12) ; U5.2 v2(315.6,327.46) ; R1630.1 v2(121.87,259.9) ; U1034.1 v1(63.56,22.96) ; U176.2 v2(116.01,267.44) ; U458.2 v2(85.55,247.43) ; U45.1 v2(269.57,276.45) ; R2255.1 v2(82.93,57.67) ; U19.2 v2(270.48,316.54) ; U133.2 v2(166.55,326.86) ; U320.1 v2(326.98,178.87) ; R1937.1 v2(240.74,176) ; R1514.1 v2(246.73,293.95) ; C1416.2 v2(357.66,126.56) ; U52.1 v2(271.6,258.85) ; C330.1 v2(65.89,278.55) ; U661.1 v2(125.85,178.92) ; C248.1 v2(150.89,278.63) ; C941.1 v2(151.76,118.55) ; U508.1 v2(43.08,185.42) ; C505.1 v2(222.34,237.06) ; U985.2 v2(50.03,98.88) ; R2163.1 v2(260.69,101.93) ; R1947.1 v2(279.91,172.72) ; R1712.1 v2(93.96,242.26) ; U727.1 v2(42.87,170.41) ; R2241.1 v2(249.74,74.49) ; U291.2 v2(265.91,225.66) ; C1411.2 v1(355.88,198.37) ; U43.1 v2(257.96,276.68) ; C1476.2 v1(387.85,285.39) ; U89.1 v2(247.9,311.94) ; R1823.1 v2(110.26,194.06) ; U717.1 v2(84.94,175.28) ; U528.1 v2(304.04,170.03) ; U777.2 v2(79.41,113.06) ; U59.1 v2(317.55,257.88) ; R1734.1 v2(202.67,235.98) ; R2303.1 v1(69.93,27.23) ; R1698.1 v2(79.92,242.68) ; U243.1 v2(83.84,288.04) ; U263.2 v2(326.54,246.85) ; U311.1 v2(264.38,190.5) ; R2113.1 v2(154.5,111.71) ; R2000.1 v2(273.86,150.68) ; U311.2 v2(263.08,190.5) ; U300.2 v2(274.5,211.16) ; U599.1 v2(185.87,174.02) ; U466.1 v2(45.84,258.98) ; R1624.1 v2(284.14,262.2) ; R1873.1 v2(254,182.22) ; R2278.1 v2(162.94,57.68) ; R1537.1 v2(258.4,293.68) ; U878.2 v2(179.43,55.54) ; U548.1 v2(327.96,139.43) ; R2544.1 v1(385.01,279.6) ; R1733.1 v2(273.86,230.67) ; U406.1 v2(115.5,236.4) ; U660.1 v2(131.31,178.92) ; R1852.1 v2(290.73,196.98) ; R2541.1 v1(380.75,279.6) ; R2022.1 v2(98.87,148.39) ; C1462.2 v1(380.56,108.7) ; C1034.2 v2(75.8,124.79) ; U573.2 v2(284.36,105.49) ; U530.2 v2(288.53,178.94) ; C420.1 v2(309.8,198.44) ; U182.1 v2(111.59,258.88) ; U563.1 v2(257.4,114.37) ; U483.2 v2(88.21,226.1) ; U584.1 v2(307.47,111.54) ; U996.2 v1(30.06,65.25) ; U99.1 v2(177.98,289.89) ; R1545.1 v2(324.73,278.42) ; R1839.1 v2(98.4,203.66) ; U466.2 v2(44.54,258.98) ; U984.2 v2(51.55,90.42) ; U875.1 v2(184.71,64.1) ; U482.2 v2(92.23,233.95) ; U927.2 v2(105.5,86.44) ; U622.1 v2(250.34,134.36) ; U605.2 v2(185.54,157.94) ; U648.1 v2(231.31,114.02) ; C859.2 v2(232.9,120.61) ; U104.1 v2(246.83,286.82) ; R2080.1 v2(318.59,118.42) ; U836.1 v1(296.16,20.07) ; U183.2 v2(125.99,267.44) ; R2043.1 v2(78.46,118.42) ; R1973.1 v2(260.41,162.18) ; U799.2 v2(270.52,76.45) ; R1768.1 v1(20.15,216.16) ; U749.2 v1(27.42,131.9) ; R1362.1 v1(198.6,354.28) ; U324.2 v2(307.47,192.85) ; U56.2 v2(288.86,267.86) ; R1790.1 v2(194.2,207.74) ; R1795.1 v2(104.42,210.39) ; R1983.1 v2(42.7,155.97) ; R1843.1 v2(175.97,190.73) ; R1473.1 v2(258.95,313.66) ; C852.1 v2(226.15,118.61) ; R1490.1 v2(177.9,306.27) ; U484.2 v2(93.28,229.74) ; C682.1 v2(65.09,198.59) ; R1522.1 v2(193.67,286.71) ; R737.2 v2(332.86,169.47) ; U340.2 v2(199,236.52) ; R1729.1 v2(282.68,235.98)